# Altium PCB STM32-ROMI_Rev_A.PcbDoc (part 1 of 2) (continued)
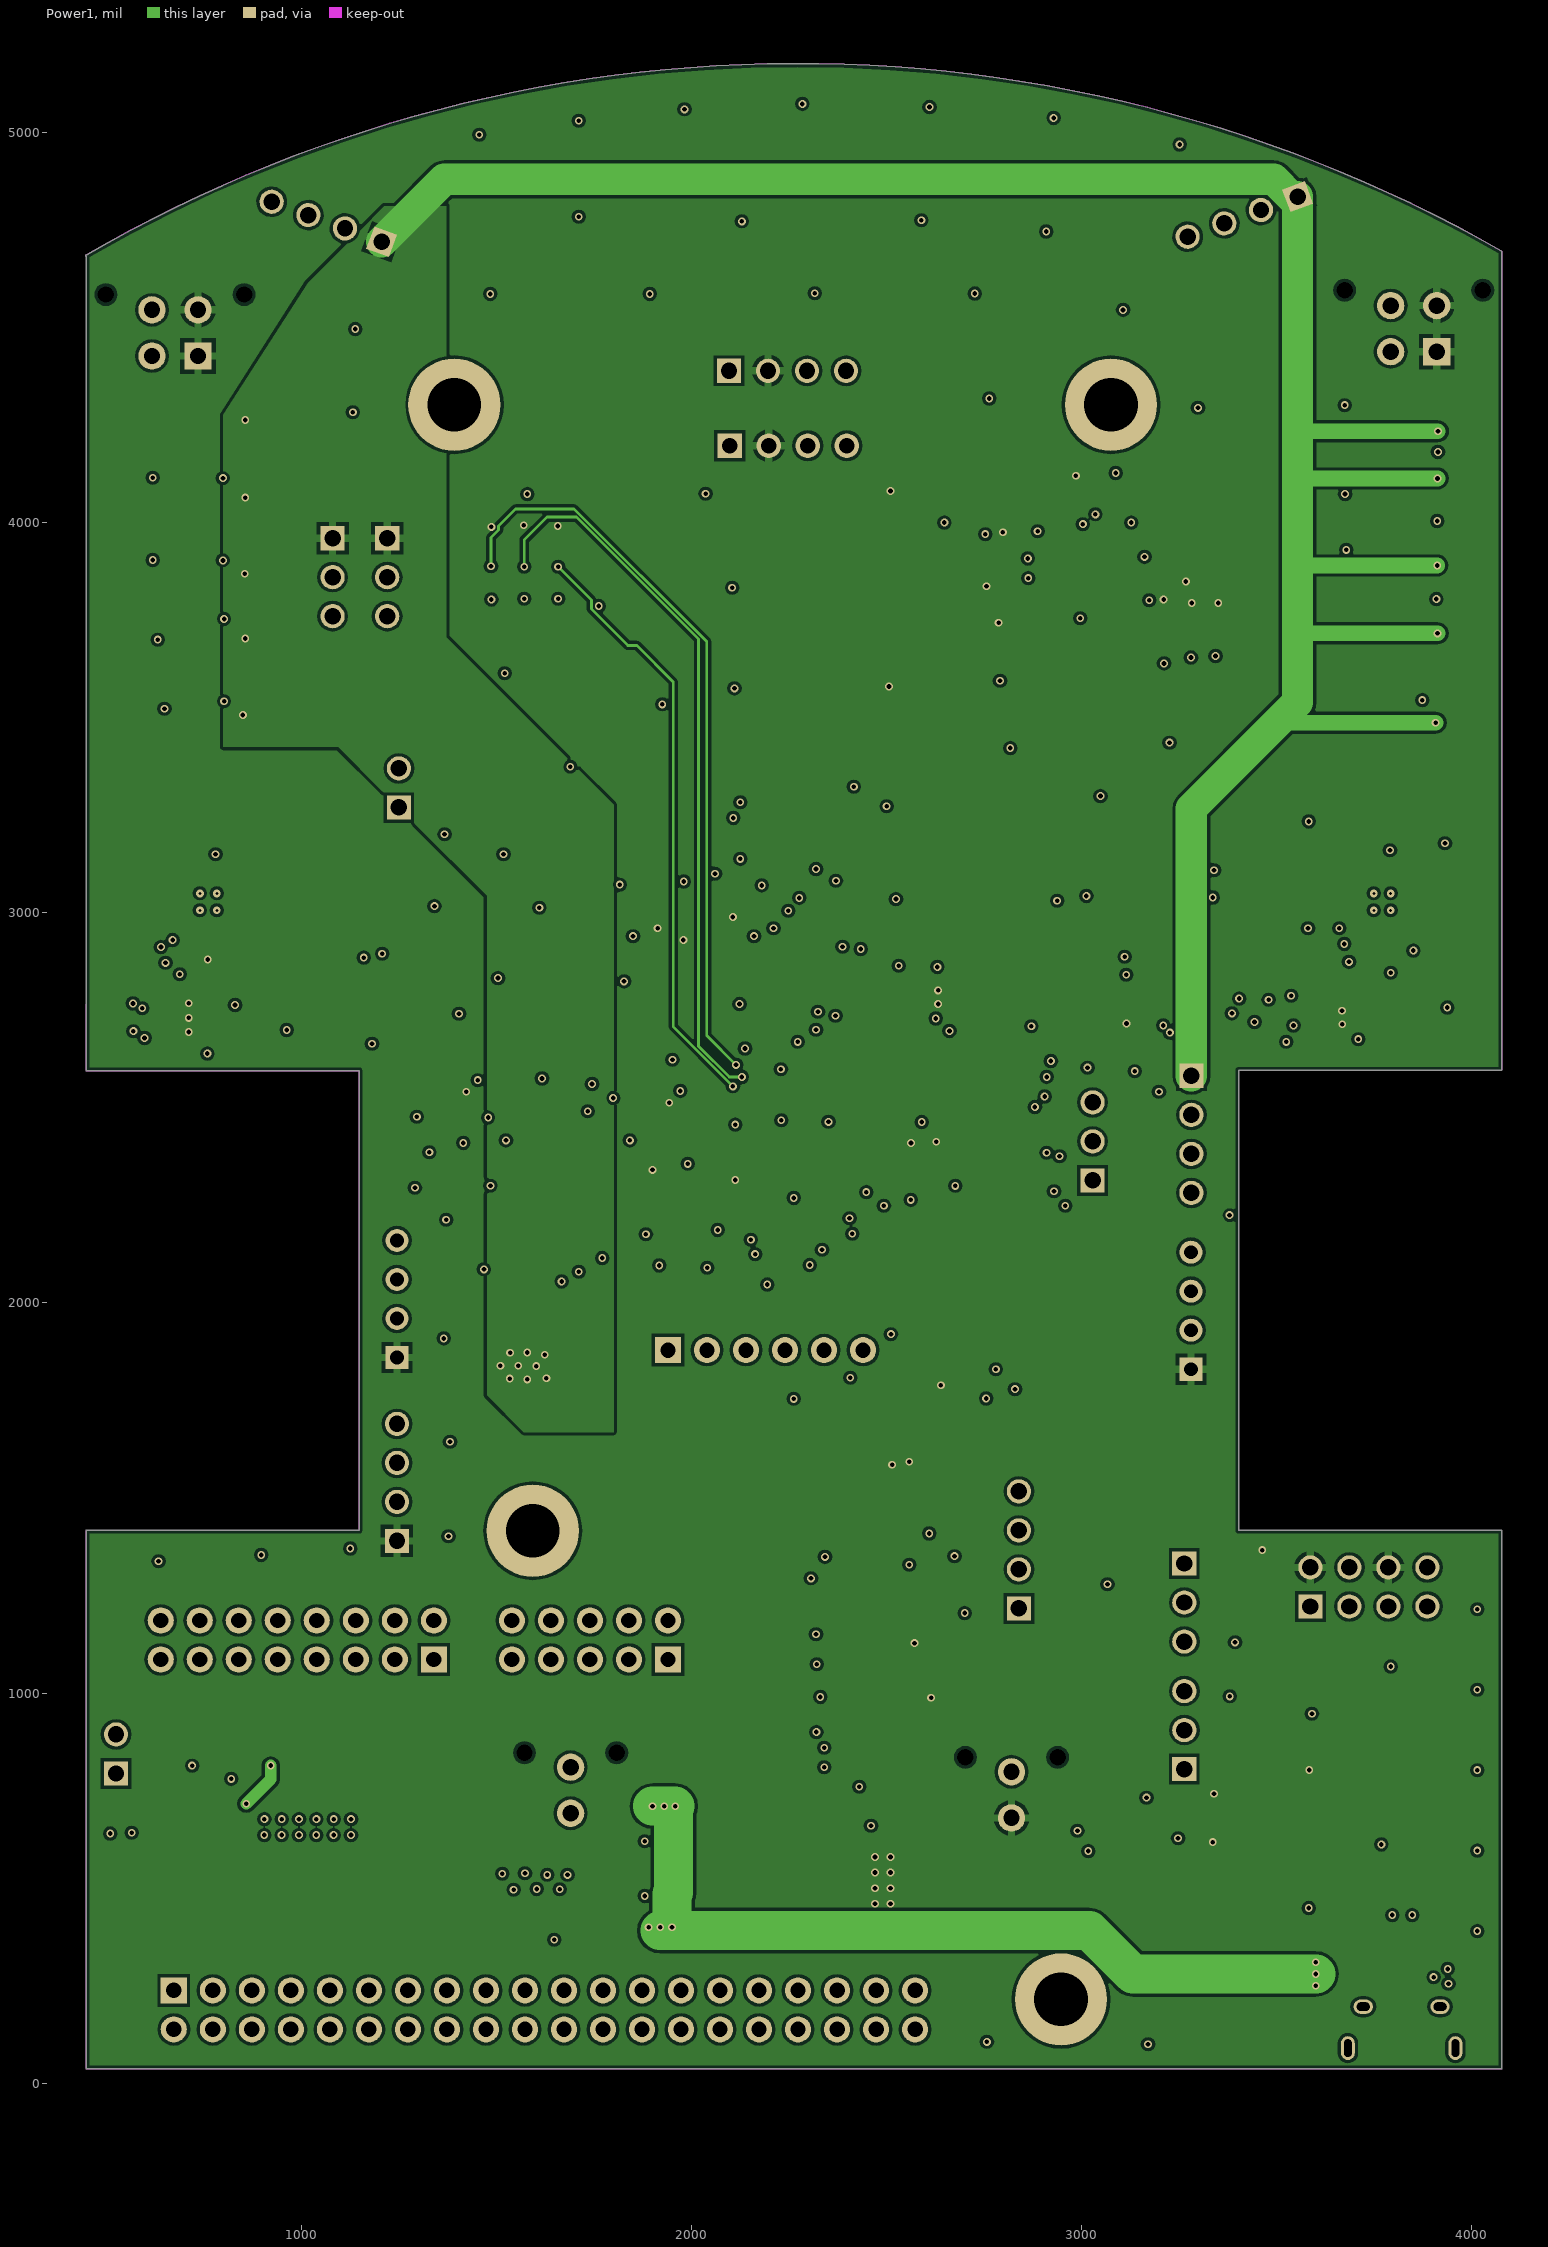
[diagram p3: Power1]
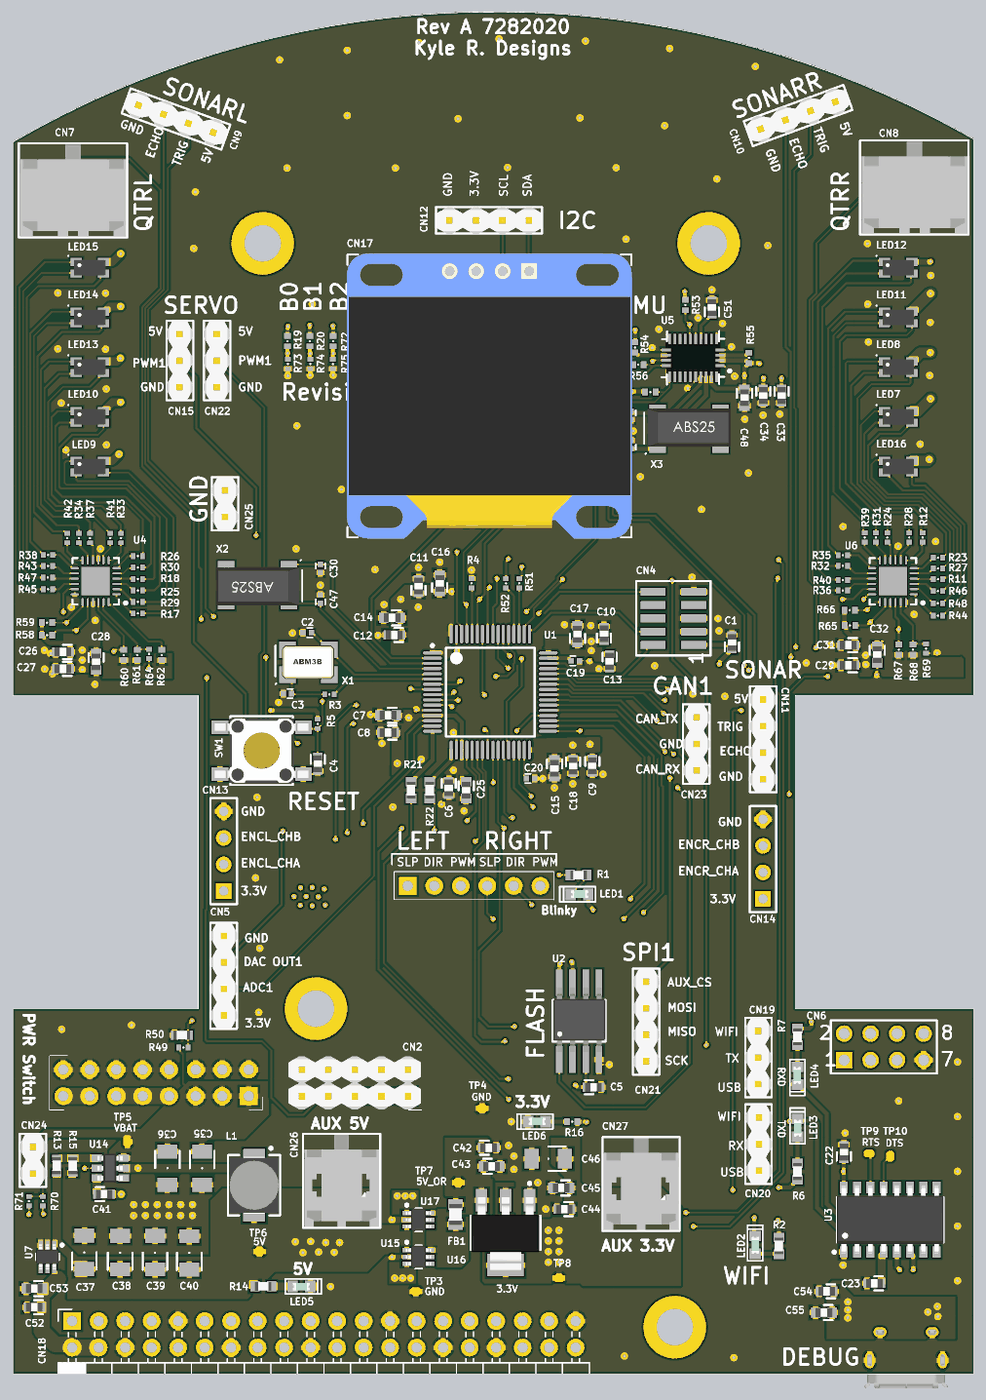
[diagram p5: 3D render of the assembled board from above, using the file's embedded part models]

## Layer stack, top to bottom
Top Mask: solder mask 0.591, Solder Resist, Dk 3.8
Top Copper: signal copper 1.378
Dielectric 1: prepreg 3.937, 2313, Dk 4.05
GND1: signal copper 0.689
Core: core 49.803, FR-4, Dk 4.5
Power1: signal copper 0.689
Dielectric 2: prepreg 3.937, 2313, Dk 4.05
Bottom Copper: signal copper 1.378
Bottom Mask: solder mask 0.591, Solder Resist, Dk 3.8

## Board outline
447.99,38.05 ccw(c449,38.05) 449,37.03 4076,37.03 ccw(c4076,38.05) 4077.01,38.05 4077.01,1414 4077.01,1416 ccw(c4076,1416) 4076,1417.01 3402.01,1417.01 3402.01,2596.09 4075,2596.09 ccw(c4075,2597.1) 4076.02,2597.1 4076.02,4694.79 ccw(c4075.04,4695.07) 4076.06,4695.07 ccw(c4075.04,4695.07) 4075.55,4695.95 ccw(c2271.16,1547.31) 447.49,4684.82 ccw(c448,4683.95) 447.99,4682.93 447.99,2765.01 ccw(c449,2765) 447.99,2765 ccw(c450,2765) 447.99,2764.98 447.99,2596.04 ccw(c449,2596) 449,2594.99 1147.99,2594.99 1147.99,1417.01 449,1417.01 ccw(c449,1416) 447.99,1416

## Design rules (kind name [scope] priority, off if disabled: settings)
BoardOutlineClearance [All] p1: gap=7.87 ignorepadtopadclearanceinfootprint=FALSE except(0: Arc-OutlineEdge Track-OutlineEdge Text-OutlineEdge; 15.75: Arc-SplitBarrior Arc-SplitContinuation Track-SplitBarrior Track-SplitContinuation SMDPad-SplitBarrior SMDPad-SplitContinuation THPad-SplitBarrior THPad-SplitContinuation Via-SplitBarrior Via-SplitContinuation Fill-SplitBarrior Fill-SplitContinuation Poly-SplitBarrior Poly-SplitContinuation Region-SplitBarrior Region-SplitContinuation Text-SplitBarrior Text-SplitContinuation)
Clearance "Clearance Bottom Layer" [OnLayer('Bottom Layer')] p1: gap=8 ignorepadtopadclearanceinfootprint=TRUE except(10: Arc-Text Track-Text SMDPad-Text THPad-Text Via-Text Fill-Text Poly-Text Region-Text Text-Text)
Clearance "Clearance Top Layer" [OnLayer('Top Layer')] p2: gap=8 ignorepadtopadclearanceinfootprint=TRUE except(10: Arc-Text Track-Text SMDPad-Text THPad-Text Via-Text Fill-Text Poly-Text Region-Text Text-Text)
Clearance [All] p3: gap=7.87 ignorepadtopadclearanceinfootprint=FALSE except(3.5: Arc-Arc Arc-Track Arc-SMDPad Track-Track Track-SMDPad SMDPad-SMDPad; 5: Arc-Via Track-Via SMDPad-Via THPad-Via Via-Via; 10: Arc-Text Track-Text SMDPad-Text THPad-Text Via-Text Fill-Text Poly-Text Region-Text Text-Text)
HoleSize [All] p1: absolutevalues=TRUE maxlimit=248.03 minlimit=7.87 maxpercent=80.000 minpercent=20.000
MinimumAnnularRing [All] p1: minimumring=3
MinimumSolderMaskSliver [All] p1: minsoldermaskwidth=1
PolygonConnect PolygonConnect_1 [All] p1: thpad.connectstyle=Relief thpad.reliefconductorwidth=20 thpad.reliefentries=4 thpad.polygonreliefangle="90 Angle" thpad.airgapwidth=10 smdpad.connectstyle=Relief smdpad.reliefconductorwidth=20 smdpad.reliefentries=4 smdpad.polygonreliefangle="90 Angle" smdpad.airgapwidth=10 via.connectstyle=Direct via.reliefconductorwidth=20 via.reliefentries=4 via.polygonreliefangle="90 Angle" via.airgapwidth=10
RoutingCorners [All] p1: cornerstyle=Round minsetback=100 maxsetback=100
RoutingVias [All] p1: holewidth=19.68 width=39.37 viastyle="Through Hole" minholewidth=7.87 minwidth=17.72 maxholewidth=39.37 maxwidth=78.74
SilkToSilkClearance [All] p1: silktosilkclearance=1
SilkToSolderMaskClearance [IsPad] p1: minsilkscreentomaskgap=1 clearancetoexposedcopper=TRUE
SolderMaskExpansion [All] p1: expansion=4 istentingtop=FALSE
Width Width_5V [InNet('5V')] p1: maxlimit=200 minlimit=10 preferedwidth=30
Width Width_3.3V [InNet('3.3V')] p2: maxlimit=200 minlimit=10 preferedwidth=30
Width [All] p3: maxlimit=100 minlimit=3.5 preferedwidth=15
25 further rules are at their usual default settings.

## Components (designator, comment, footprint, x,y, rotation, side; value= is the part's Value field where it differs from the comment)
C1 "0.1uF" CAPC0603(1608)_L 3163,2797 r90 top
C2 "20pF 0402" CAPC0402(1005)_L 1560,2834 r180 top
C3 "20pF 0402" CAPC0402(1005)_L 1486,2604 r180 top
C4 "0.1uF" CAPC0603(1608)_L 1600,2340 r270 top
C5 "0.1uF" CAPC0603(1608)_L 2640,1120 r0 top
C6 "0.01uF" CAPC0603(1608)_L 2094,2249 r270 top
C7 "1uF" CAPC0603(1608)_N 1865,2522 r180 top
C8 "0.1uF" CAPC0603(1608)_L 1865,2457 r180 top
C9 "0.1uF" CAPC0603(1608)_L 2636,2332 r270 top
C10 "0.1uF" CAPC0603(1608)_L 2680,2830 r90 top
C11 "0.1uF" CAPC0603(1608)_L 1980,3010 r90 top
C12 "0.1uF" CAPC0603(1608)_L 1889,2825 r180 top
C13 "0.1uF" CAPC0603(1608)_L 2701,2726 r270 top
C14 "1uF" CAPC0603(1608)_N 1880,2890 r180 top
C15 "1uF" CAPC0603(1608)_N 2493,2322.5 r270 top
C16 "1uF" CAPC0603(1608)_N 2060,3020 r90 top
C17 "1uF" CAPC0603(1608)_N 2580,2828.5 r90 top
C18 "10uF" CAPC0603(1608)_L 2563,2331 r270 top
C19 "2.2uF" CAPC0402(1005)_L 2572,2728 r0 top
C20 "2.2uF" CAPC0402(1005)_L 2403,2284 r0 top
C21 "0.1uF" CAPC0603(1608)_L 2110,4070 r180 top
C22 "0.1uF" CAPC0603(1608)_L 3585,875 r90 top
C23 "0.1uF" CAPC0603(1608)_L 3700,380 r180 top
C24 "0.1uF" CAPC0603(1608)_L 2500,3347.56 r270 top
C25 "1uF" CAPC0603(1608)_N 2160,2240 r270 top
C26 "0.01uF" CAPC0603(1608)_L 638.39,2761.5 r180 top
C27 "0.1uF" CAPC0603(1608)_L 638.39,2697.5 r180 top
C28 "1uF" CAPC0603(1608)_N 763.39,2724.01 r270 top
C29 "0.01uF" CAPC0603(1608)_L 3602,2711 r180 top
C30 "20pF 0402" CAPC0402(1005)_L 1610,3075.75 r270 top
C31 "0.1uF" CAPC0603(1608)_L 3602,2787 r180 top
C32 "1uF" CAPC0603(1608)_N 3711,2751.36 r270 top
C33 "0.01uF" CAPC0603(1608)_L 3350,3728 r270 top
C34 "0.1uF" CAPC0603(1608)_L 3281,3728 r270 top
C35 "10uF" CAPC1206(3216)_M 1163.5,814.49 r270 top
C36 "10uF" CAPC1206(3216)_M 1032.5,814.49 r270 top
C37 "10uF" CAPC1206(3216)_M 719,497 r90 top
C38 "10uF" CAPC1206(3216)_M 854,496 r90 top
C39 "10uF" CAPC1206(3216)_M 986,496 r90 top
C40 "10uF" CAPC1206(3216)_M 1115,495 r90 top
C41 "0.1uF" CAPC0603(1608)_L 793.5,716.48 r0 top
C42 "0.1uF" CAPC0603(1608)_L 2244.74,891.46 r0 top locked
C43 "1uF" CAPC0603(1608)_N 2256.24,821.46 r0 top locked
C44 "0.1uF" CAPC0603(1608)_L 2530,660 r180 top locked
C45 "1uF" CAPC0603(1608)_N 2518.5,740 r180 top locked
C46 "10uF" CAPC1206(3216)_M 2470,850 r180 top locked
C47 "20pF 0402" CAPC0402(1005)_L 1610,2960 r90 top
C48 "1uF" CAPC0603(1608)_N 3210,3720.13 r270 top
C49 "20pF 0402" CAPC0402(1005)_L 2782,3653 r270 top
C50 "20pF 0402" CAPC0402(1005)_L 2782,3543 r90 top
C51 "0.1uF" CAPC0603(1608)_L 3087,4060 r90 top
C52 "0.1uF" CAPC0603(1608)_L 530,290 r180 top
C53 "1uF" CAPC0603(1608)_N 530,360 r180 top
C54 "0.1uF" CAPC0603(1608)_L 3520,350 r180 top
C55 "1uF" CAPC0603(1608)_N 3510,270 r180 top
CN1 "Header 6" PinHeader_1x06_P2.54mm_Vertical 1939.5,1879 r90 bottom locked
CN2 "Romi-Header 5X2" "PinHeader_2x05_P2.54mm_Vertical - duplicate" 1939.5,1086.1 r0 top locked
CN3 "Romi_Header 8X2" PinHeader_2x08_P2.54mm_Vertical 1339.5,1086.1 r270 bottom locked
CN4 "JTAG" "BOBS FAVORITE DEBUG HDR" 2942,2888 r90 top
CN5 "Header 4" HDR1X4#1 1245,1390 r90 top
CN6 "CN/ESP-01" ESP-01 3586,1222 r0 top locked
CN7 "QTR_LEFT" "Molex 2x2 Microfit" 617,4427 r0 top
CN8 "QTR_RIGHT" "Molex 2x2 Microfit" 3791.89,4438 r0 top
CN9 "Header 4" HDR1X4#1 1205.78,4719.66 r160 top
CN10 "Header 4" HDR1X4#1 3553.39,4835.27 r200 top
CN11 "Header 4" HDR1X4#1 3281,2582 r270 top
CN12 "Header 4" HDR1X4#1 2096,4389 r0 top
CN13 "Header 4" HDR1X4#2 1245,1860 r90 top
CN14 "Header 4" HDR1X4#2 3280,1830 r90 top
CN15 "Header 3" HDR1X3 1080,3960 r270 top
CN16 "MicroUSB" 10118194-0001LF 3820,90 r180 bottom
CN17 "OLED 0.96\"" OLED_0.96_I2C 2098,4197 r0 top locked
CN18 "Header 20X2" Raspberry_Pi_2_3 672.25,237.81 r0 top locked
CN19 "STM_TX" HDR1X3 3263,1332 r270 top
CN20 "STM_RX" HDR1X3 3263,805 r90 top
CN21 "Header 4" HDR1X4#1 2839,1217 r90 top
CN22 "Header 3" HDR1X3 1220,3960 r270 top
CN23 "CAN1" HDR1X3 3028,2314 r90 top
CN24 "PWR Switch" HDR1X2 525,794 r90 top
CN25 "GND" HDR1X2 1250,3270 r90 top
CN26 "AUX 5V" "Molex 1x2 Microfit 3.0" 1690,691.89 r0 top
CN27 "AUX 3.3V" "Molex 1x2 Microfit 3.0" 2820,680 r0 top
FB1 "600 Ohm @ 100MHz" RESC0805(2012)_N 2120,640 r90 top locked
L1 "3.3uH 5.5A" YSPI0530-3R3M 1360,750 r270 top
LED1 "Blinky" SM-LED-0603 2621,1847 r0 top
LED2 "WIFI" SM-LED-0603 3250,491.5 r270 top
LED3 "TXD" SM-LED-0603 3410,933.07 r270 top
LED4 "RXD" SM-LED-0603 3410,1196.93 r90 top
LED5 "5V" SM-LED-0603 1505.07,369 r180 top
LED6 "3.3V" SM-LED-0603 2460,990 r0 top
LED7 "E6C1206RGBC3UDA" E6C1206RGBC3UDA 3790,3647.5 r0 top
LED8 "E6C1206RGBC3UDA" E6C1206RGBC3UDA 3790,3835 r0 top
LED9 "E6C1206RGBC3UDA" E6C1206RGBC3UDA 740,3460 r0 top
LED10 "E6C1206RGBC3UDA" E6C1206RGBC3UDA 740,3647.5 r0 top
LED11 "E6C1206RGBC3UDA" E6C1206RGBC3UDA 3790,4022.5 r0 top
LED12 "E6C1206RGBC3UDA" E6C1206RGBC3UDA 3790,4210 r0 top
LED13 "E6C1206RGBC3UDA" E6C1206RGBC3UDA 740,3835 r0 top
LED14 "E6C1206RGBC3UDA" E6C1206RGBC3UDA 740,4022.5 r0 top
LED15 "E6C1206RGBC3UDA" E6C1206RGBC3UDA 740,4210 r0 top
LED16 "E6C1206RGBC3UDA" E6C1206RGBC3UDA 3790,3460 r0 top
R1 "576" RESC0603(1608)_N 2584,1920 r180 top
R2 "1.0K" RESC0603(1608)_N 3340,521.5 r90 top
R3 "220" RESC0402(1005)_L 1644,2601 r0 top
R4 "0" RESC0402(1005)_L 2180,3020 r270 top
R5 "100K 0402" RESC0402(1005)_L 1600,2490 r90 top
R6 "1.0K" RESC0603(1608)_N 3410,801.5 r270 top
R7 "1.0K" RESC0603(1608)_N 3410,1310 r90 top
R8 "10K 1%" RESC0603(1608)_L 2500,3490 r90 top
R9 "10K 1%" RESC0603(1608)_L 2250,4078.8 r180 top
R10 "10K 1%" RESC0603(1608)_L 2430,4078.8 r0 top
R11 "604" RESC0402(1005)_L 3940,3035.4 r0 top
R12 "604" RESC0402(1005)_L 3882,3193 r90 top
R13 "56.2K" RESC0603(1608)_L 614.5,823.48 r90 top
R14 "1.0K" RESC0603(1608)_N 1394,369 r180 top
R15 "10K 1%" RESC0603(1608)_L 675.5,823.48 r90 top
R16 "100" RESC0402(1005)_N 2560,990 r0 top
R17 "604" RESC0402(1005)_L 921,2906.5 r0 top
R18 "604" RESC0402(1005)_L 921,3036.4 r0 top
R19 "10K" RESC0402(1005)_N 1486,3933.31 r90 top
R20 "10K" RESC0402(1005)_N 1570,3933.31 r90 top
R21 "0 0603" RESC0603(1608)_N 1952,2240 r270 top
R22 "0 0603" RESC0603(1608)_N 2022,2240 r270 top
R23 "604" RESC0402(1005)_L 3940,3117 r0 top
R24 "604" RESC0402(1005)_L 3749,3193 r90 top
R25 "604" RESC0402(1005)_L 921,2993.1 r0 top
R26 "604" RESC0402(1005)_L 921,3123 r0 top
R27 "1K" RESC0402(1005)_L 3940,3076 r0 top
R28 "1K" RESC0402(1005)_L 3832,3193 r90 top
R29 "1K" RESC0402(1005)_L 921,2949.8 r0 top
R30 "1K" RESC0402(1005)_L 921,3079.7 r0 top
R31 "604" RESC0402(1005)_L 3706.25,3193 r90 top
R32 "604" RESC0402(1005)_L 3581.28,3086 r180 top
R33 "604" RESC0402(1005)_L 857.39,3190.78 r90 top
R34 "604" RESC0402(1005)_L 699,3190.78 r90 top
R35 "604" RESC0402(1005)_L 3581.28,3126 r180 top
R36 "604" RESC0402(1005)_L 3581.28,2993 r180 top
R37 "604" RESC0402(1005)_L 740.36,3190.78 r90 top
R38 "604" RESC0402(1005)_L 582,3127 r180 top
R39 "1K" RESC0402(1005)_L 3664,3193 r90 top
R40 "1K" RESC0402(1005)_L 3581.28,3032 r180 top
R41 "1K" RESC0402(1005)_L 817,3190.78 r90 top
R42 "1K" RESC0402(1005)_L 654.36,3190.78 r90 top
R43 "604" RESC0402(1005)_L 582,3085 r180 top
R44 "604" RESC0402(1005)_L 3940,2898 r0 top
R45 "604" RESC0402(1005)_L 582,2998 r180 top
R46 "604" RESC0402(1005)_L 3940,2991 r0 top
R47 "1K" RESC0402(1005)_L 581.28,3042 r180 top
R48 "1K" RESC0402(1005)_L 3940,2945 r0 top
R49 "100K 0402" RESC0402(1005)_L 1093,1270 r180 top
R50 "10K 1%" RESC0603(1608)_L 1087,1316 r0 top
R51 "0" RESC0402(1005)_L 2360,3020 r90 top
R52 "0" RESC0402(1005)_L 2310,3020 r90 top
R53 "10K" RESC0402(1005)_N 2987,4069.37 r90 top
R54 "10K" RESC0402(1005)_N 2797,3909.69 r90 top
R55 "10K" RESC0402(1005)_N 3227,3870 r270 top
R56 "4.7K" RESC0402(1005)_N 2809.69,3844 r180 top
R57 "4.7K" RESC0402(1005)_N 2855,3741 r180 top
R58 "4.7K" RESC0402(1005)_N 578.08,2824.5 r180 top
R59 "4.7K" RESC0402(1005)_N 578.08,2871.5 r180 top
R60 "4.7K" RESC0402(1005)_N 867.39,2749.85 r270 top
R61 "10K" RESC0402(1005)_N 918.39,2749.85 r270 top
R62 "10K" RESC0402(1005)_N 1011.39,2749.85 r270 top
R63 "10K" RESC0402(1005)_N 2754,3912 r270 top
R64 "0" RESC0402(1005)_L 963.39,2753.79 r90 top
R65 "4.7K" RESC0402(1005)_N 3608,2861 r180 top
R66 "4.7K" RESC0402(1005)_N 3607.06,2919 r180 top
R67 "4.7K" RESC0402(1005)_N 3792,2770.06 r270 top
R68 "10K" RESC0402(1005)_N 3846,2770.06 r270 top
R69 "0" RESC0402(1005)_L 3895,2774 r90 top
R70 "100K 0402" RESC0402(1005)_L 563,690 r90 top
R71 "0" RESC0402(1005)_L 510,690 r90 top
R72 "10K" RESC0402(1005)_N 1658,3933.31 r90 top
R73 "0" RESC0402(1005)_L 1487,3847 r90 top
R74 "0" RESC0402(1005)_L 1572,3847 r90 top
R75 "0" RESC0402(1005)_L 1657,3847 r90 top
SW1 "RESET" "SW TACT Red 6mm x 6mm" 1388,2389 r0 top
SW2 "RESET" "SW TACT Red 6mm x 6mm" 2271,3423 r270 top
TP3 "GND" TestPoint-SM 1970,350 r270 top locked
TP4 "GND" TestPoint-SM 2220,1040 r90 top
TP5 "VBAT" TestPoint-SM 881,914.5 r0 top
TP6 "5V" TestPoint-SM 1380,500 r90 top
TP7 "5V_OR" TestPoint-SM 2130,760 r270 top
TP8 "3.3V" TestPoint-SM 2510,400 r90 top locked
TP9 "RTS" TestPoint-SM 3680,870 r90 top
TP10 "DTS" TestPoint-SM 3760,860 r180 top
U1 "STM32F405RGT6" STM-LQFP64_N 2251,2610 r0 top
U2 "MX25L1606E" SOG.050/8D 2511,1224 r0 top
U3 "CH340C" SOP-16 3760,620 r90 top
U4 "TCA9555RGER" QFN50P400X400X100_HS-25N 761.65,3027.84 r180 top
U5 "BNO055" LGA-28-3.8x5.2mm 3016.16,3870.36 r180 top
U6 "TCA9555RGER" QFN50P400X400X100_HS-25N 3770.26,3027.84 r180 top
U7 "Ideal Diode" SC-70-6 580,480 r270 top
U14 "TPS563209DDCR" SOT23-6 867.31,778.37 r90 top
U15 "Ideal Diode" SC-70-6 1980,480 r0 top
U16 "3.3V" DSO-G3 2308.63,571.1 r180 top locked
U17 "Ideal Diode" SC-70-6 1980,620 r0 top
X1 "8Mhz" SMXOSC/5x3.2 1486,2675.51 r0 top
X2 "32.768 XO" OSCABS 1491.48,3072.49 r180 top
X3 "32.768 XO" OSCABS 2882,3543.51 r0 top

## Footprints (in the part's own frame and the unit in brackets; to place one, negate y for a bottom-side part, rotate by r counter-clockwise, add the part's x,y. Pads: shape width x height; smd on the part's side, far side on the other; paste and mask are expansions set on the pad)
10118194-0001LF [mm] "Amphenol FCI CONN USB MICRO B RECPT SMT R/A"
  rect 0.4x1.35 smd: 1(-1.3,2.7) 2(-0.65,2.7) 3(0,2.7) 4(0.65,2.7) 5(1.3,2.7)
  oval 0.9x1.55 hole 0.5 slot 1.15 at 90 deg: 5(-3.5,0) 5(3.5,0)
  oval 1.25x0.95 hole 0.55 slot 0.85 at 0 deg: 5(-2.5,2.7) 5(2.5,2.7)
  rect 1.7x1.5 smd: 5(-1.5,0) 5(1.5,0)
  silkscreen extent -4.3,-1.4 4.3,3.7, body extent -4.03,-2.68 4.02,2.9, height 2.72
"BOBS FAVORITE DEBUG HDR" [mm] "trying to fix problem"
  rect 0.76x2.4 smd: 1(-2.54,-1.95) 2(-2.54,1.95) 3(-1.27,-1.95) 4(-1.27,1.95) 5(0,-1.95) 6(0,1.95) 7(1.27,-1.95) 8(1.27,1.95) 9(2.54,-1.95) 10(2.54,1.95)
  silkscreen extent -3.56,-3.56 3.56,3.56
CAPC0402(1005)_L [mm] "Chip Capacitor, Body 1.0x0.5mm, Height 0.7mm, IPC High Density"
  rect 0.52x0.52 smd: 1(-0.4,0) 2(0.4,0)
  silkscreen extent -0.5,-0.45 0,0.45, body extent -0.55,-0.3 0.55,0.3, height 0.7
CAPC0603(1608)_L [mm] "Chip Capacitor, Body 1.6x0.8mm, Height 1.0mm, IPC High Density"
  rect 0.7x0.9 smd: 1(-0.7,0) 2(0.7,0)
  silkscreen extent -0.82,-0.68 0.05,0.68, body extent -0.8,-0.44 0.8,0.43, height 0.86
CAPC0603(1608)_N [mm] "Chip Capacitor, Body 1.6x0.8mm, Height 1.0mm, IPC Medium Density"
  rect 0.9x1 smd: 1(-0.8,0) 2(0.8,0)
  silkscreen extent -0.82,-0.73 0.05,0.73, body extent -0.8,-0.44 0.8,0.43, height 0.86
CAPC1206(3216)_M [mm] "Chip Capacitor, Body 3.2x1.6mm, Height 1.9mm, IPC Low Density"
  rect 1.35x1.9 smd: 1(-1.6,0) 2(1.6,0)
  silkscreen extent -1.65,-1.18 0.05,1.18, body extent -1.7,-0.9 1.7,0.9, height 1.9
DSO-G3 [mm] "SOT-223/SC-73; 4 Leads; Body 6.7 x 7.3 mm, inc. leads (LxW max)"
  rect 1.1x2.15 smd: 1(-2.3,-3.1) 2(0,-3.1) 3(2.3,-3.1)
  rect 3.5x2.15 smd: 4(0,3.1)
  silkscreen extent -3.35,-4.85 3.35,1.63, body extent -3.25,-3.4 3.25,3.56, height 1.68
E6C1206RGBC3UDA [mm] "SON, 4-Leads, Body 1.50x3.00mm, Pitch 1.10mm, IPC Medium Density"
  rect 1.1x0.75 smd: 1(-1.31,0.55) 2(1.31,0.55) 3(-1.31,-0.55) 4(1.31,-0.55)
  silkscreen extent -2.12,1.09 -2.02,1.19, body extent -1.5,-0.75 1.5,0.75, height 0.9
ESP-01 [mil] "ESP8266-01"
  rect 62x62 hole 42: 1(0,0)
  round 62 hole 42: 2(0,100) 3(100,0) 4(100,100) 5(200,0) 6(200,100) 7(300,0) 8(300,100)
  silkscreen extent -50,-50 350,150, body extent -161,-827 429,157, height 312
HDR1X2 [mil] "Connector; Header; 2 Position"
  rect 62x62 hole 42: 1(0,0)
  round 62 hole 42: 2(100,0)
  silkscreen extent -50,-50 150,50, body extent -49,-50 151,50, height 330
HDR1X3 [mil]
  rect 62x62 hole 42: 1(0,0)
  round 62 hole 42: 2(100,0) 3(200,0)
  silkscreen extent -50,-50 250,50, body extent -50,-51 250,49, height 330
HDR1X4#1 [mil] "Connector; Header; 4 Position"
  rect 62x62 hole 42: 1(0,0)
  round 62 hole 42: 2(100,0) 3(200,0) 4(300,0)
  silkscreen extent -50,-50 350,50, body extent -49,-51 351,49, height 330
HDR1X4#2 [mil] "Connector; Header; 4 Position"
  rect 59.06x59.06 hole 35.43: 1(0,0)
  round 59.06 hole 35.43: 2(100,0) 3(200,0) 4(300,0)
  silkscreen extent -50,-50 350,50
LGA-28-3.8x5.2mm [mm] "28-Pin Land Grid Array"
  rect 0.25x1 smd: 1(-2.25,1.813) 6(-2.25,-1.813) 7(-1.75,-1.813) 8(-1.25,-1.813) 9(-0.75,-1.813) 10(-0.25,-1.813) 11(0.25,-1.813) 12(0.75,-1.813) 13(1.25,-1.813) 14(1.75,-1.813) 15(2.25,-1.813) 20(2.25,1.813) 21(1.75,1.813) 22(1.25,1.813) 23(0.75,1.813) 24(0.25,1.813) 25(-0.25,1.813) 26(-0.75,1.813) 27(-1.25,1.813) 28(-1.75,1.813)
  rect 0.875x0.25 smd: 2(-2.575,0.75) 3(-2.575,0.25) 4(-2.575,-0.25) 5(-2.575,-0.75) 16(2.575,-0.75) 17(2.575,-0.25) 18(2.575,0.229) 19(2.575,0.75)
  silkscreen extent -3.63,-2.58 3.02,2.55, body extent -2.5,-2 2.5,2, height 0.82
"Molex 1x2 Microfit 3.0" [mil] "Connector; Header; 1x2 Position"
  round 0 hole 42 unplated: 0(-118.11,155.11) 0(118.11,155.11)
  round 70 hole 42: 1(0,0) 2(0,118.11)
  silkscreen extent -146,-102 146,252, body extent -141,-98 141,248, height 390
"Molex 2x2 Microfit" [mil] "Microfit 2x2 Position"
  round 19.68 hole 42.01 unplated paste+0 mask+0: 0(-118.11,157.48) 0(236.22,157.48)
  rect 70x70 hole 42: 1(118.11,0)
  round 70 hole 42: 2(0,0) 3(118.11,118.11) 4(0,118.11)
  silkscreen extent -146,-102 264,252, body extent -140,-98 260,247, height 392
OLED_0.96_I2C [mm]
  rect 1.6x1.6 hole 1.03: 1(0,0)
  round 1.6 hole 1.02: 2(2.54,0) 3(5.08,0) 4(7.62,0)
  silkscreen extent -9.8,-25.5 17.4,1.6, body extent -9.85,-25.6 17.45,1.7, height 9